# Allegro board STARRYSKY.brd (continued)
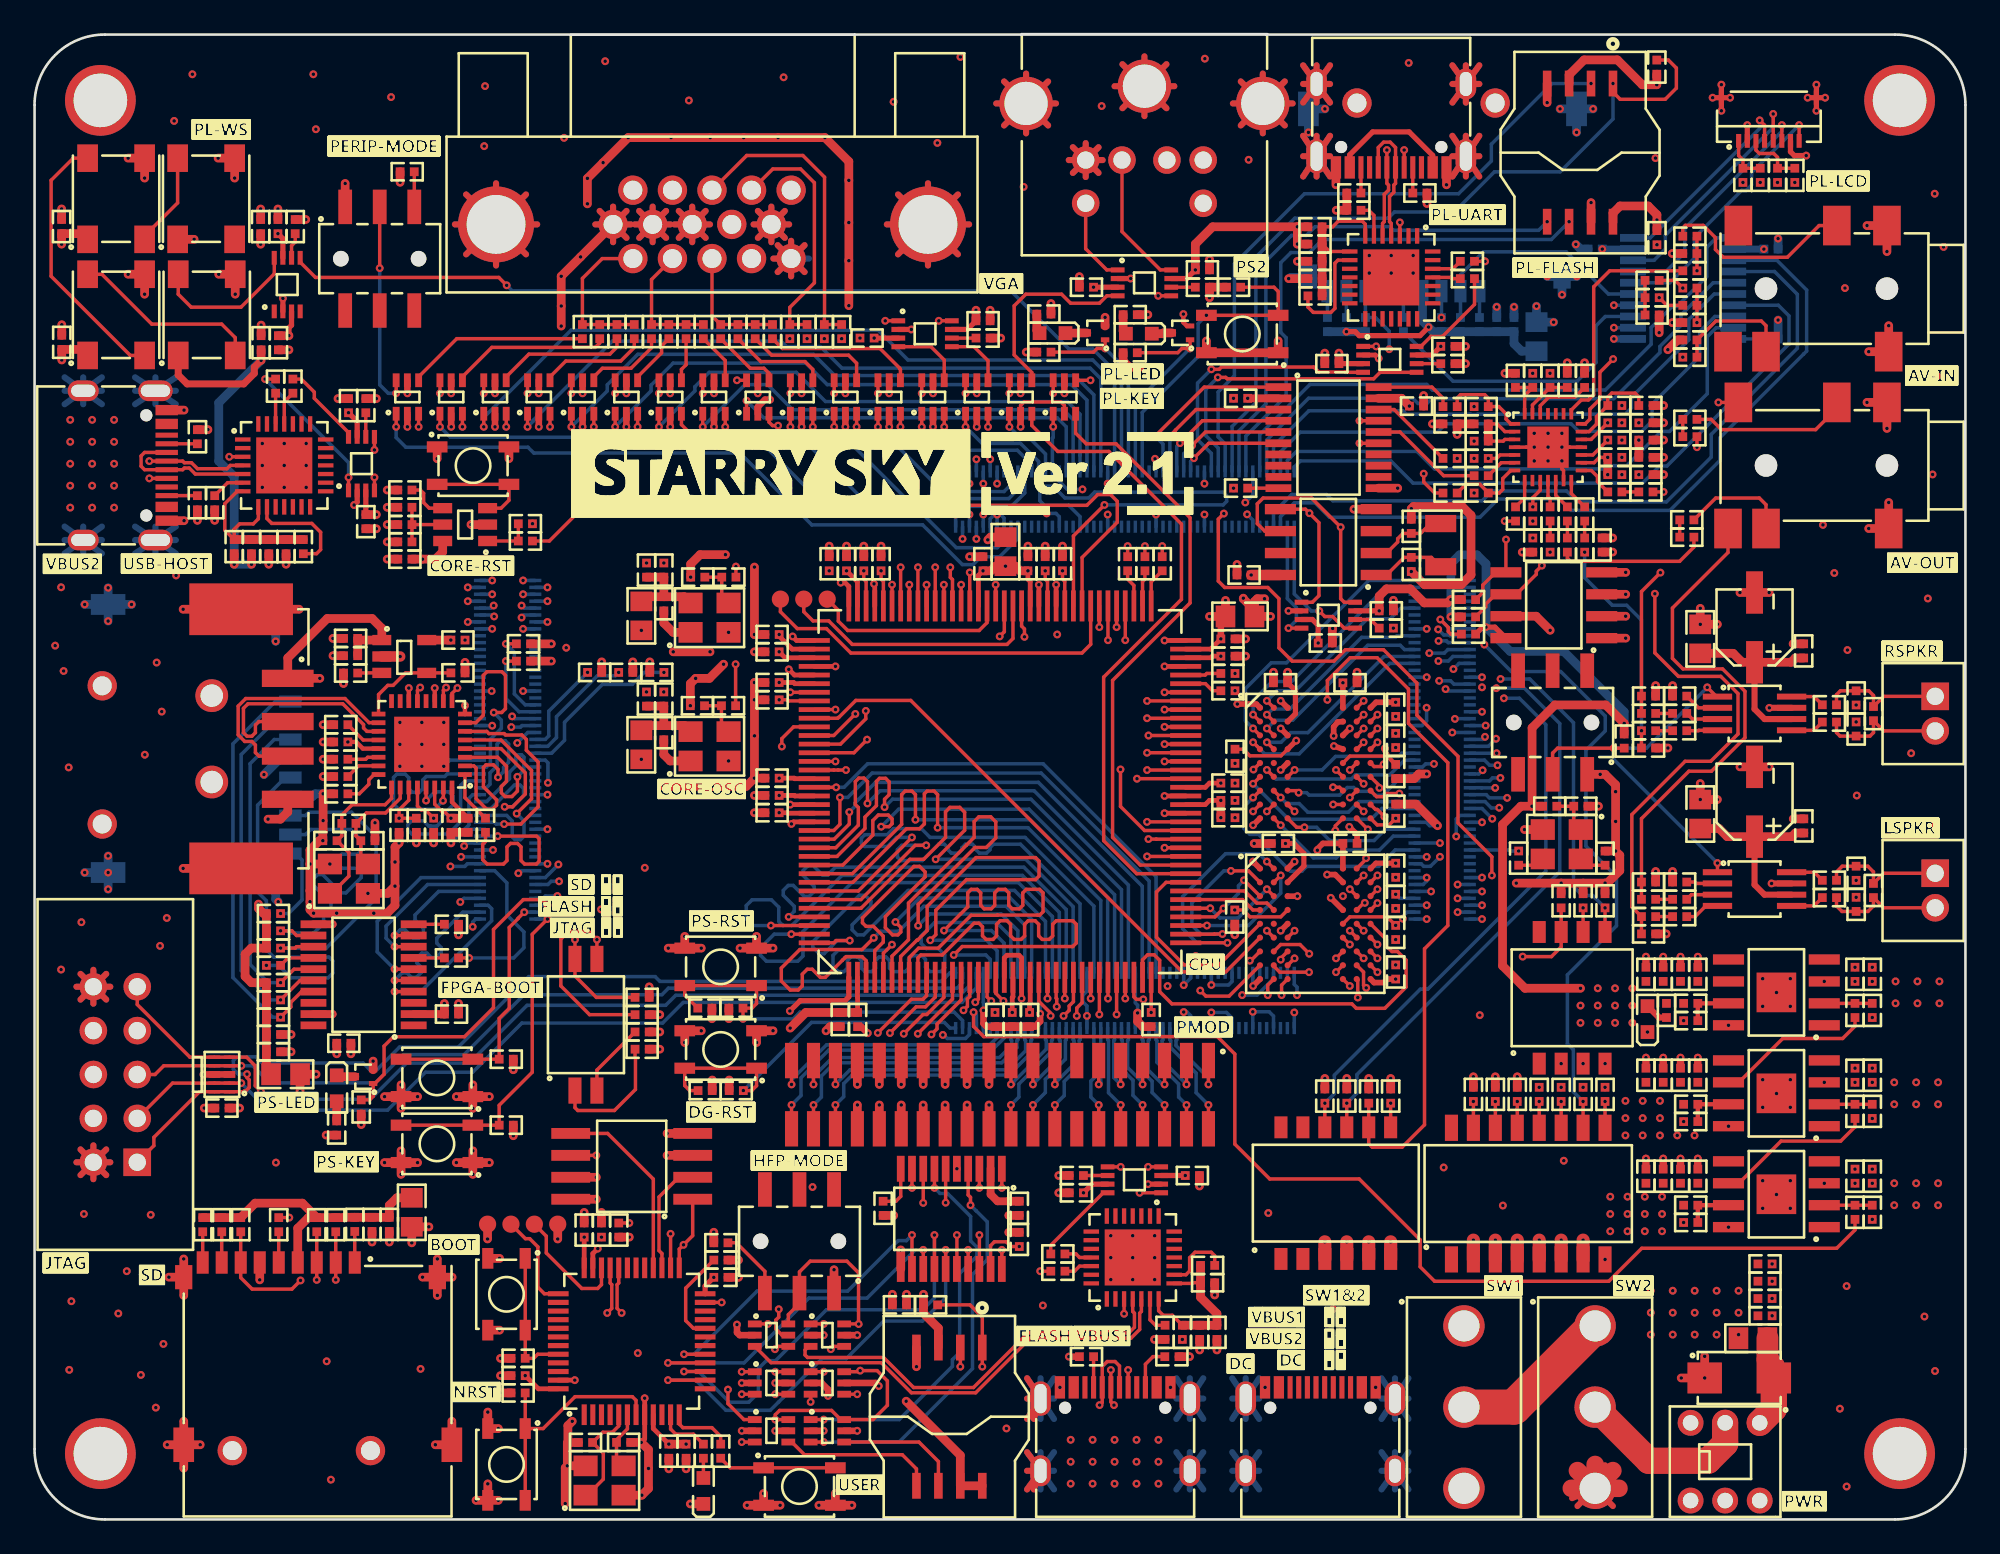
[diagram p0: board, top side]
## Routing (per net, layer and track width the routed paths; a pad name or vN(x,y) marks a point on that pad's centre or on a via; arc(x,y) is an arc through that point) (continued)
  ART03 w0.356: J1.1 58.23,8.17 ; J1.1 57.45,5.82 ; J1.1 59,8.17 ; J1.1 59,5.82 ; J1.1 57.45,7 ; J1.1 59,7 ; J1.1 57.45,8.17 ; J1.1 58.23,5.82 ; 66.87,5.82 J1.2 ; J1.2 66.87,8.17 ; J1.2 66.09,5.82 ; J1.2 66.09,8.17 ; J1.2 67.64,7 ; J1.2 66.09,7 ; J1.2 67.64,5.82
  ART03 w0.381: v1(43.65,49.21) 45.64,49.21 45.81,49.38 v1(46.36,49.38) 46.78,49.8 57.76,49.8 v1(59.19,51.23) ; v1(57.5,56.34) 57.01,56.34 55.92,57.43 54.85,57.43 v1(54.11,58.17) 53.16,57.22 52.09,57.22 51.22,56.34 v1(49,56.34) v1(48,56.34) v1(47,56.34) v1(46,56.34) 40.48,56.34 v1(39.99,55.85) ; v1(41.67,55.13) 42.57,54.23 v1(46.66,54.23) 48.06,54.23 48.13,54.16 v1(48.59,54.16) 49.36,53.38 57.41,53.38 v1(58.13,54.11) ; v1(39.1,50.22) v1(41.67,50.22) v1(41.67,51.22) 42.35,51.91 43.49,51.91 43.88,51.52 v1(43.88,51.11) 44.33,51.11 44.34,51.12 v1(55.86,51.12)
  GND05 w0.356: 58.23,1.74 J1.3 ; J1.3 59,1.74 ; J1.3 57.45,3.89 ; J1.3 57.45,2.82 ; J1.3 59,2.82 ; J1.3 59,3.89 ; J1.3 57.45,1.74 ; J1.3 58.23,3.89 ; 33.49,73.94 J12.6 ; J12.6 32.46,74.96 ; J12.6 32.71,74.19 ; J12.6 32.71,75.74 ; J12.6 34.26,75.74 ; J12.6 33.49,75.99 ; J12.6 34.51,74.96 ; J12.6 34.26,74.19 ; J8.10 4.38,30.84 ; J8.10 3.4,29.86 ; J8.10 2.66,31.58 ; J8.10 2.66,30.09 ; J8.10 2.43,30.84 ; J8.10 4.15,31.58 ; J8.10 4.15,30.09 ; J8.10 3.4,31.81 ; 35,74.19 J12.7 ; J12.7 35,75.74 ; J12.7 35.78,75.99 ; J12.7 36.8,74.96 ; J12.7 36.55,75.74 ; J12.7 36.55,74.19 ; J12.7 34.75,74.96 ; J12.7 35.78,73.94 ; J19.3 83.62,84.17 ; J19.3 82.07,84.17 ; J19.3 83.62,83.09 ; J19.3 82.07,83.09 ; J19.3 82.84,84.17 ; J19.3 82.07,82.01 ; J19.3 82.84,82.01 ; 82.84,77.73 J19.1 ; J19.1 82.84,80.09 ; J19.1 82.07,80.09 ; J19.1 82.07,78.91 ; J19.1 83.62,80.09 ; J19.1 82.07,77.73 ; J19.1 83.62,78.91 ; J19.1 83.62,77.73 ; 66.09,2.82 J1.4 ; J1.4 66.87,1.74 ; J1.4 66.87,3.89 ; J1.4 67.64,3.89 ; J1.4 66.09,1.74 ; J1.4 67.64,1.74 ; J1.4 66.09,3.89 ; J1.4 67.64,2.82 ; J9.4 3.9,55.92 ; J9.4 2.82,57.47 ; J9.4 1.74,56.69 ; J9.4 1.74,55.92 ; J9.4 3.9,56.69 ; J9.4 1.74,57.47 ; J9.4 2.82,55.92 ; J9.4 3.9,57.47 ; J12.5 44.57,72.21 ; J12.5 44.57,73.76 ; J12.5 43.01,73.76 ; J12.5 43.79,71.96 ; J12.5 43.79,74.01 ; J12.5 42.76,72.98 ; J12.5 44.82,72.98 ; J12.5 43.01,72.21 ; 62.51,82.96 J11.7 ; J11.7 65.97,82.96 ; J11.7 64.24,84.69 ; J11.7 62.97,81.69 ; J11.7 64.24,81.24 ; J11.7 62.97,84.24 ; J11.7 65.51,81.69 ; J11.7 65.51,84.24 ; 77.96,3.89 J3.4 ; J3.4 77.96,1.74 ; J3.4 78.74,3.89 ; J3.4 78.74,1.74 ; J3.4 79.52,2.82 ; J3.4 79.52,3.89 ; J3.4 77.96,2.82 ; J3.4 79.52,1.74 ; J3.3 70.1,3.89 ; J3.3 70.88,2.82 ; J3.3 69.32,3.89 ; J3.3 69.32,2.82 ; J3.3 70.1,1.74 ; J3.3 70.88,3.89 ; J3.3 69.32,1.74 ; J3.3 70.88,1.74 ; J9.1 8.18,65.33 ; J9.1 8.18,66.11 ; J9.1 5.82,66.11 ; J9.1 8.18,64.56 ; J9.1 7,64.56 ; J9.1 5.82,64.56 ; J9.1 5.82,65.33 ; J9.1 7,66.11 ; J8.2 4.15,21.42 ; J8.2 2.66,21.42 ; J8.2 2.43,20.68 ; J8.2 2.66,19.93 ; J8.2 4.15,19.93 ; J8.2 4.38,20.68 ; J8.2 3.4,19.7 ; J8.2 3.4,21.65 ; J12.8 38.07,75.99 ; J12.8 37.04,74.96 ; J12.8 38.84,74.19 ; J12.8 37.29,75.74 ; J12.8 38.84,75.74 ; J12.8 38.07,73.94 ; J12.8 37.29,74.19 ; J12.8 39.09,74.96 ; 57.39,80.24 J11.9 ; J11.9 57.39,83.69 ; J11.9 58.66,83.24 ; J11.9 56.12,80.69 ; J11.9 58.66,80.69 ; J11.9 59.12,81.97 ; J11.9 56.12,83.24 ; J11.9 55.66,81.97 ; 49.98,76.7 J12.16 ; J12.16 49.33,74.96 ; J12.16 49.98,73.23 ; J12.16 53.44,76.7 ; J12.16 51.71,72.59 ; J12.16 51.71,77.34 ; J12.16 53.44,73.23 ; J12.16 54.09,74.96 ; 24.33,74.96 J12.17 ; J12.17 28.44,73.23 ; J12.17 29.09,74.96 ; J12.17 26.71,72.59 ; J12.17 28.44,76.7 ; J12.17 26.71,77.34 ; J12.17 24.98,76.7 ; J12.17 24.98,73.23 ; J11.8 72.36,80.69 ; J11.8 71.09,83.69 ; J11.8 72.36,83.24 ; J11.8 69.36,81.97 ; J11.8 69.82,80.69 ; J11.8 69.82,83.24 ; J11.8 72.82,81.97 ; J11.8 71.09,80.24 ; J1.1 58.23,8.17 ; J1.1 59,5.82 ; J1.1 59,8.17 ; J1.1 59,7 ; J1.1 57.45,8.17 ; J1.1 58.23,5.82 ; J1.1 57.45,5.82 ; J1.1 57.45,7 ; J9.2 7,57.47 ; J9.2 7,55.92 ; J9.2 8.18,56.69 ; J9.2 8.18,57.47 ; J9.2 5.82,57.47 ; J9.2 8.18,55.92 ; J9.2 5.82,56.69 ; J9.2 5.82,55.92 ; J19.2 74.98,77.73 ; J19.2 74.98,78.91 ; J19.2 74.98,80.09 ; J19.2 74.2,80.09 ; J19.2 74.2,77.73 ; J19.2 73.43,80.09 ; J19.2 73.43,77.73 ; J19.2 73.43,78.91 ; 73.43,84.17 J19.4 ; J19.4 74.2,84.17 ; J19.4 74.2,82.01 ; J19.4 74.98,82.01 ; J19.4 73.43,82.01 ; J19.4 73.43,83.09 ; J19.4 74.98,83.09 ; J19.4 74.98,84.17 ; 69.32,7 J3.1 ; J3.1 70.88,7 ; J3.1 70.1,5.82 ; J3.1 69.32,8.17 ; J3.1 69.32,5.82 ; J3.1 70.88,8.17 ; J3.1 70.1,8.17 ; J3.1 70.88,5.82 ; J12.10 43.67,74.96 ; J12.10 42.65,73.94 ; J12.10 43.42,75.74 ; J12.10 41.62,74.96 ; J12.10 41.87,75.74 ; J12.10 43.42,74.19 ; J12.10 42.65,75.99 ; J12.10 41.87,74.19 ; 66.87,5.82 J1.2 ; J1.2 66.09,5.82 ; J1.2 67.64,7 ; J1.2 66.87,8.17 ; J1.2 66.09,8.17 ; J1.2 67.64,8.17 ; J1.2 66.09,7 ; J1.2 67.64,5.82 ; 1.74,64.56 J9.3 ; J9.3 3.9,66.11 ; J9.3 1.74,66.11 ; J9.3 2.82,66.11 ; J9.3 3.9,64.56 ; J9.3 3.9,65.33 ; J9.3 1.74,65.33 ; J9.3 2.82,64.56 ; J11.3 61.82,78.69 ; J11.3 60.1,77.94 ; J11.3 60.84,77.71 ; J11.3 61.58,79.43 ; J11.3 60.1,79.43 ; J11.3 60.84,79.67 ; J11.3 59.86,78.69 ; J11.3 61.58,77.94 ; 77.96,5.82 J3.2 ; J3.2 77.96,7 ; J3.2 78.74,5.82 ; J3.2 78.74,8.17 ; J3.2 79.52,5.82 ; J3.2 79.52,8.17 ; J3.2 79.52,7 ; J3.2 77.96,8.17
  GND07 w0.356: 32.71,74.19 J12.6 ; J12.6 32.46,74.96 ; J12.6 32.71,75.74 ; J12.6 33.49,75.99 ; J12.6 33.49,73.94 ; J12.6 34.26,74.19 ; J12.6 34.26,75.74 ; J12.6 34.51,74.96 ; J8.10 4.38,30.84 ; J8.10 2.66,30.09 ; J8.10 3.4,31.81 ; J8.10 2.66,31.58 ; J8.10 4.15,30.09 ; J8.10 3.4,29.86 ; J8.10 2.43,30.84 ; J8.10 4.15,31.58 ; J3.4 79.52,3.89 ; J3.4 77.96,1.74 ; J3.4 77.96,2.82 ; J3.4 78.74,3.89 ; J3.4 78.74,1.74 ; J3.4 79.52,2.82 ; J3.4 77.96,3.89 ; J3.4 79.52,1.74 ; 73.43,78.91 J19.2 ; J19.2 74.98,77.73 ; J19.2 74.98,78.91 ; J19.2 74.2,77.73 ; J19.2 74.98,80.09 ; J19.2 74.2,80.09 ; J19.2 73.43,77.73 ; J19.2 73.43,80.09 ; 35,75.74 J12.7 ; J12.7 35.78,73.94 ; J12.7 36.55,75.74 ; J12.7 35,74.19 ; J12.7 36.8,74.96 ; J12.7 35.78,75.99 ; J12.7 34.75,74.96 ; J12.7 36.55,74.19 ; J11.3 61.58,77.94 ; J11.3 60.1,77.94 ; J11.3 60.84,79.67 ; J11.3 61.82,78.69 ; J11.3 60.84,77.71 ; J11.3 59.86,78.69 ; J11.3 61.58,79.43 ; J11.3 60.1,79.43 ; 24.98,73.23 J12.17 ; J12.17 26.71,72.59 ; J12.17 24.98,76.7 ; J12.17 24.33,74.96 ; J12.17 29.09,74.96 ; J12.17 28.44,76.7 ; J12.17 26.71,77.34 ; J12.17 28.44,73.23 ; J9.1 8.18,66.11 ; J9.1 8.18,64.56 ; J9.1 5.82,66.11 ; J9.1 7,66.11 ; J9.1 7,64.56 ; J9.1 5.82,64.56 ; J9.1 5.82,65.33 ; J9.1 8.18,65.33 ; J3.2 79.52,5.82 ; J3.2 79.52,7 ; J3.2 78.74,5.82 ; J3.2 79.52,8.17 ; J3.2 77.96,8.17 ; J3.2 77.96,7 ; J3.2 78.74,8.17 ; J3.2 77.96,5.82 ; J1.1 59,8.17 ; J1.1 57.45,8.17 ; J1.1 58.23,8.17 ; J1.1 57.45,7 ; J1.1 59,5.82 ; J1.1 58.23,5.82 ; J1.1 57.45,5.82 ; J1.1 59,7 ; J3.1 70.88,5.82 ; J3.1 70.1,8.17 ; J3.1 69.32,8.17 ; J3.1 70.88,7 ; J3.1 70.88,8.17 ; J3.1 69.32,5.82 ; J3.1 70.1,5.82 ; J3.1 69.32,7 ; 57.39,80.24 J11.9 ; J11.9 56.12,80.69 ; J11.9 56.12,83.24 ; J11.9 57.39,83.69 ; J11.9 58.66,83.24 ; J11.9 58.66,80.69 ; J11.9 55.66,81.97 ; J11.9 59.12,81.97 ; J11.7 64.24,84.69 ; J11.7 65.51,84.24 ; J11.7 65.51,81.69 ; J11.7 62.97,81.69 ; J11.7 64.24,81.24 ; J11.7 62.97,84.24 ; J11.7 62.51,82.96 ; J11.7 65.97,82.96 ; J3.3 70.1,3.89 ; J3.3 70.1,1.74 ; J3.3 70.88,1.74 ; J3.3 69.32,3.89 ; J3.3 69.32,1.74 ; J3.3 69.32,2.82 ; J3.3 70.88,2.82 ; J3.3 70.88,3.89 ; 1.74,57.47 J9.4 ; J9.4 1.74,56.69 ; J9.4 1.74,55.92 ; J9.4 2.82,55.92 ; J9.4 3.9,56.69 ; J9.4 3.9,57.47 ; J9.4 2.82,57.47 ; J9.4 3.9,55.92 ; J19.1 83.62,77.73 ; J19.1 83.62,80.09 ; J19.1 82.84,77.73 ; J19.1 82.84,80.09 ; J19.1 83.62,78.91 ; J19.1 82.07,80.09 ; J19.1 82.07,78.91 ; J19.1 82.07,77.73 ; 66.09,1.74 J1.4 ; J1.4 67.64,3.89 ; J1.4 66.09,2.82 ; J1.4 67.64,1.74 ; J1.4 66.87,3.89 ; J1.4 67.64,2.82 ; J1.4 66.87,1.74 ; J1.4 66.09,3.89 ; J9.3 3.9,66.11 ; J9.3 1.74,64.56 ; J9.3 1.74,65.33 ; J9.3 2.82,66.11 ; J9.3 3.9,64.56 ; J9.3 2.82,64.56 ; J9.3 1.74,66.11 ; J9.3 3.9,65.33 ; J8.2 4.15,19.93 ; J8.2 4.15,21.42 ; J8.2 2.66,21.42 ; J8.2 4.38,20.68 ; J8.2 3.4,19.7 ; J8.2 2.66,19.93 ; J8.2 3.4,21.65 ; J8.2 2.43,20.68 ; J11.8 72.36,83.24 ; J11.8 72.82,81.97 ; J11.8 69.82,83.24 ; J11.8 69.82,80.69 ; J11.8 71.09,83.69 ; J11.8 69.36,81.97 ; J11.8 71.09,80.24 ; J11.8 72.36,80.69 ; 41.87,75.74 J12.10 ; J12.10 42.65,75.99 ; J12.10 43.42,75.74 ; J12.10 41.62,74.96 ; J12.10 43.42,74.19 ; J12.10 41.87,74.19 ; J12.10 43.67,74.96 ; J12.10 42.65,73.94 ; 49.98,76.7 J12.16 ; J12.16 49.98,73.23 ; J12.16 53.44,73.23 ; J12.16 49.33,74.96 ; J12.16 51.71,72.59 ; J12.16 51.71,77.34 ; J12.16 53.44,76.7 ; J12.16 54.09,74.96 ; J19.4 74.2,84.17 ; J19.4 74.98,82.01 ; J19.4 74.98,84.17 ; J19.4 73.43,84.17 ; J19.4 73.43,83.09 ; J19.4 74.2,82.01 ; J19.4 73.43,82.01 ; J19.4 74.98,83.09 ; 66.09,5.82 J1.2 ; J1.2 67.64,8.17 ; J1.2 67.64,5.82 ; J1.2 67.64,7 ; J1.2 66.09,8.17 ; J1.2 66.87,5.82 ; J1.2 66.09,7 ; J1.2 66.87,8.17 ; 82.07,83.09 J19.3 ; J19.3 83.62,84.17 ; J19.3 82.07,84.17 ; J19.3 82.07,82.01 ; J19.3 82.84,84.17 ; J19.3 82.84,82.01 ; J19.3 83.62,83.09 ; 37.29,74.19 J12.8 ; J12.8 38.84,75.74 ; J12.8 38.84,74.19 ; J12.8 37.04,74.96 ; J12.8 38.07,75.99 ; J12.8 37.29,75.74 ; J12.8 39.09,74.96 ; J12.8 38.07,73.94 ; 57.45,2.82 J1.3 ; J1.3 59,1.74 ; J1.3 58.23,3.89 ; J1.3 58.23,1.74 ; J1.3 59,2.82 ; J1.3 57.45,1.74 ; J1.3 59,3.89 ; J1.3 57.45,3.89 ; J12.5 44.57,73.76 ; J12.5 43.79,71.96 ; J12.5 44.57,72.21 ; J12.5 43.01,72.21 ; J12.5 42.76,72.98 ; J12.5 43.01,73.76 ; J12.5 43.79,74.01 ; J12.5 44.82,72.98 ; J9.2 8.18,56.69 ; J9.2 8.18,55.92 ; J9.2 7,57.47 ; J9.2 5.82,57.47 ; J9.2 7,55.92 ; J9.2 8.18,57.47 ; J9.2 5.82,56.69 ; J9.2 5.82,55.92
  BOTTOM w0.203: v1(28.19,52.21) 28.34,52.35 J25.A45 ; J24.A24 63.71,29.91 63.84,29.77 v1(63.84,29.32) 63.71,29.19 J24.B24 ; J25.A29 28.21,45.95 28.13,45.87 v1(27.59,45.87) ; v1(55.71,58.17) 55.56,58.17 55.31,57.92 J22.A6 ; v1(55.71,58.17) J22.A7 ; v1(55.71,58.17) 55.91,58.17 56.11,57.97 J22.A8 ; J22.A30 v1(64.91,58.17) ; J25.A19 v1(29.69,41.95) ; J22.B44 70.51,59.3 v1(70.08,58.87) ; J25.A44 v1(29.69,51.95) ; v1(69.9,30.35) 70.76,30.35 71.71,31.31 J24.A4 ; J23.A8 v1(80.58,51.55) ; J25.B19 25.36,41.95 25.14,41.73 25.14,40.2 24.89,39.95 ; v1(60.65,59.63) 59.77,59.63 59.31,60.08 J22.B16 ; J24.A10 69.31,31.14 69.11,30.94 v1(68.11,30.94) J24.A13 ; J25.B29 26.46,45.95 26.46,45.95 v1(26.49,45.95) ; J24.B17 v1(66.51,29.37) 66.71,29.37 66.91,29.17 J24.B16 ; v1(30.26,36.09) 29.57,36.09 29.43,35.95 J25.A4 ; v1(70.53,30.88) 70.51,30.9 J24.A7 ; J22.A37 v1(67.71,58.17) ; v1(24.1,39.16) 24.89,39.95 ; 24.89,39.95 J25.B14 ; v1(81.36,52.09) 81.9,51.55 J23.B8 ; J24.B31 v1(60.91,29.15) 60.91,29.72 60.67,29.96 60.67,30.34 60.91,30.58 J24.A31 ; J24.B13 v1(68.11,29.35) 68.99,29.35 69.31,29.02 J24.B10 ; J25.B34 v1(26.46,47.95) ; J23.A45 80.37,36.75 80.58,36.96 v1(80.58,37.15) J23.A44 ; v1(70.18,58.18) 70.51,57.85 J22.A44 ; v1(29.71,42.64) 29.71,43.8 29.56,43.95 J25.A24 ; J25.B9 25.05,37.95 24.9,37.8 v1(24.07,37.8) ; J24.A1 72.91,30.97 73.07,30.81 v1(73.07,30.35) ; J23.A22 80.3,45.95 80.57,46.22 v1(80.57,46.99) ; J24.A16 66.91,31.33 v1(66.51,30.93) J24.A17 ; v1(81.2,40.16) 80.75,40.16 80.55,40.35 J23.A36 ; J22.A16 59.31,58.04 59.12,58.23 v1(58.58,58.23) ; J25.A43 v1(28.28,51.55) ; J24.B38 58.11,29.19 v1(58.2,29.27) 58.2,29.73 58.11,29.82 J24.A38 ; J22.B30 64.91,61.34 v1(64.85,61.4) ; J25.A34 v1(28.28,47.95) ; J22.B3 v1(54.11,59.96) ; J23.A48 v1(80.58,35.55) ; J22.B37 v1(67.71,59.96) ; J23.B15 v1(83.78,48.75) ; J23.B48 v1(83.78,35.55) ; J23.B36 v1(83.78,40.35) ; J23.B29 83.6,43.15 v1(83.81,43.37) ; J24.A46 54.91,29.94 54.92,29.92 v1(54.92,29.47) 54.91,29.46 J24.B46 ; J22.B7 v1(55.71,59.96) ; J24.B7 v1(70.51,29.39) 71.46,29.39 71.71,29.14 J24.B4 ; J23.B44 v1(83.78,37.15) ; J23.B45 v1(82.37,36.75) ; J22.B23 v1(62.11,59.96) ; J23.A15 v1(80.58,48.75) ; J25.A9 v1(29.69,37.95) ; v1(26.6,52.27) 26.52,52.35 J25.B45 ; J22.A3 v1(54.11,58.17) ; v1(23.68,43.6) 24.04,43.95 J25.B24 ; J23.A29 v1(80.58,43.15) ; J22.B6 v1(55.31,61.37) ; J25.B43 v1(26.49,51.55) ; v1(24.64,35.74) 24.85,35.95 J25.B4 ; J22.A23 v1(62.11,58.17) ; J25.B44 v1(25.08,51.95) ; J24.B1 v1(72.91,29.35) ; J23.B22 v1(83.99,45.95) ; J22.B8 v1(56.11,61.37) ; J25.A14 v1(29.69,39.95)
  BOTTOM w0.356: 69.82,83.24 J11.8 ; J11.8 71.09,80.24 ; J11.8 72.36,80.69 ; J11.8 71.09,83.69 ; J11.8 69.82,80.69 ; J11.8 69.36,81.97 ; J11.8 72.82,81.97 ; J11.8 72.36,83.24 ; J12.16 54.09,74.96 ; J12.16 53.44,73.23 ; J12.16 51.71,72.59 ; J12.16 49.33,74.96 ; J12.16 53.44,76.7 ; J12.16 49.98,73.23 ; J12.16 49.98,76.7 ; J12.16 51.71,77.34 ; J12.5 44.82,72.98 ; J12.5 42.76,72.98 ; J12.5 43.01,72.21 ; J12.5 44.57,73.76 ; J12.5 44.57,72.21 ; J12.5 43.79,71.96 ; J12.5 43.79,74.01 ; J12.5 43.01,73.76 ; 2.66,21.42 J8.2 ; J8.2 3.4,19.7 ; J8.2 4.15,19.93 ; J8.2 4.15,21.42 ; J8.2 2.66,19.93 ; J8.2 3.4,21.65 ; J8.2 4.38,20.68 ; J8.2 2.43,20.68 ; 64.24,81.24 J11.7 ; J11.7 62.97,81.69 ; J11.7 64.24,84.69 ; J11.7 62.51,82.96 ; J11.7 65.97,82.96 ; J11.7 62.97,84.24 ; J11.7 65.51,81.69 ; J11.7 65.51,84.24 ; 77.96,5.82 J3.2 ; J3.2 78.74,8.17 ; J3.2 78.74,5.82 ; J3.2 79.52,7 ; J3.2 77.96,8.17 ; J3.2 79.52,5.82 ; J3.2 79.52,8.17 ; J3.2 77.96,7 ; 73.43,82.01 J19.4 ; J19.4 74.2,84.17 ; J19.4 74.98,83.09 ; J19.4 74.98,84.17 ; J19.4 73.43,83.09 ; J19.4 74.2,82.01 ; J19.4 73.43,84.17 ; J19.4 74.98,82.01 ; J8.10 3.4,31.81 ; J8.10 2.66,31.58 ; J8.10 3.4,29.86 ; J8.10 4.15,31.58 ; J8.10 2.43,30.84 ; J8.10 2.66,30.09 ; J8.10 4.15,30.09 ; J8.10 4.38,30.84 ; 5.82,65.33 J9.1 ; J9.1 8.18,65.33 ; J9.1 8.18,66.11 ; J9.1 7,64.56 ; J9.1 8.18,64.56 ; J9.1 7,66.11 ; J9.1 5.82,64.56 ; J9.1 5.82,66.11 ; 41.87,74.19 J12.10 ; J12.10 43.67,74.96 ; J12.10 41.62,74.96 ; J12.10 41.87,75.74 ; J12.10 43.42,74.19 ; J12.10 43.42,75.74 ; J12.10 42.65,75.99 ; J12.10 42.65,73.94 ; 60.1,79.43 J11.3 ; J11.3 60.1,77.94 ; J11.3 60.84,77.71 ; J11.3 61.58,77.94 ; J11.3 61.82,78.69 ; J11.3 60.84,79.67 ; J11.3 59.86,78.69 ; J11.3 61.58,79.43 ; J19.2 74.98,77.73 ; J19.2 73.43,80.09 ; J19.2 73.43,77.73 ; J19.2 74.2,80.09 ; J19.2 74.98,78.91 ; J19.2 74.2,77.73 ; J19.2 74.98,80.09 ; J19.2 73.43,78.91 ; J19.3 82.84,84.17 ; J19.3 83.62,84.17 ; J19.3 82.07,82.01 ; J19.3 82.07,83.09 ; J19.3 83.62,83.09 ; J19.3 82.84,82.01 ; J19.3 82.07,84.17 ; J1.4 67.64,2.82 ; J1.4 66.87,1.74 ; J1.4 67.64,1.74 ; J1.4 66.87,3.89 ; J1.4 66.09,3.89 ; J1.4 66.09,2.82 ; J1.4 66.09,1.74 ; J1.4 67.64,3.89 ; J9.4 3.9,55.92 ; J9.4 1.74,55.92 ; J9.4 1.74,56.69 ; J9.4 1.74,57.47 ; J9.4 3.9,56.69 ; J9.4 3.9,57.47 ; J9.4 2.82,57.47 ; J9.4 2.82,55.92 ; 69.32,5.82 J3.1 ; J3.1 70.1,5.82 ; J3.1 70.88,5.82 ; J3.1 70.1,8.17 ; J3.1 69.32,8.17 ; J3.1 69.32,7 ; J3.1 70.88,7 ; J3.1 70.88,8.17 ; J1.3 59,3.89 ; J1.3 58.23,1.74 ; J1.3 58.23,3.89 ; J1.3 59,1.74 ; J1.3 57.45,3.89 ; J1.3 59,2.82 ; J1.3 57.45,2.82 ; J1.3 57.45,1.74 ; 57.39,80.24 J11.9 ; J11.9 57.39,83.69 ; J11.9 56.12,80.69 ; J11.9 55.66,81.97 ; J11.9 58.66,83.24 ; J11.9 56.12,83.24 ; J11.9 58.66,80.69 ; J11.9 59.12,81.97 ; J12.17 26.71,77.34 ; J12.17 24.98,76.7 ; J12.17 28.44,73.23 ; J12.17 24.98,73.23 ; J12.17 26.71,72.59 ; J12.17 29.09,74.96 ; J12.17 28.44,76.7 ; J12.17 24.33,74.96 ; 1.74,66.11 J9.3 ; J9.3 3.9,65.33 ; J9.3 3.9,64.56 ; J9.3 1.74,64.56 ; J9.3 3.9,66.11 ; J9.3 2.82,64.56 ; J9.3 1.74,65.33 ; J9.3 2.82,66.11 ; 57.45,8.17 J1.1 ; J1.1 59,8.17 ; J1.1 58.23,5.82 ; J1.1 59,5.82 ; J1.1 58.23,8.17 ; J1.1 59,7 ; J1.1 57.45,5.82 ; J1.1 57.45,7 ; 5.82,56.69 J9.2 ; J9.2 8.18,57.47 ; J9.2 7,55.92 ; J9.2 8.18,55.92 ; J9.2 5.82,57.47 ; J9.2 5.82,55.92 ; J9.2 7,57.47 ; J9.2 8.18,56.69 ; 69.32,1.74 J3.3 ; J3.3 70.88,2.82 ; J3.3 70.1,1.74 ; J3.3 70.1,3.89 ; J3.3 70.88,1.74 ; J3.3 69.32,2.82 ; J3.3 69.32,3.89 ; J3.3 70.88,3.89 ; J12.8 38.84,74.19 ; J12.8 37.29,74.19 ; J12.8 38.07,73.94 ; J12.8 37.04,74.96 ; J12.8 38.84,75.74 ; J12.8 37.29,75.74 ; J12.8 38.07,75.99 ; J12.8 39.09,74.96 ; J3.4 79.52,2.82 ; J3.4 78.74,1.74 ; J3.4 77.96,2.82 ; J3.4 77.96,1.74 ; J3.4 78.74,3.89 ; J3.4 79.52,3.89 ; J3.4 79.52,1.74 ; J3.4 77.96,3.89 ; J12.7 36.55,74.19 ; J12.7 35,74.19 ; J12.7 35.78,73.94 ; J12.7 36.8,74.96 ; J12.7 34.75,74.96 ; J12.7 35.78,75.99 ; J12.7 35,75.74 ; J12.7 36.55,75.74 ; J1.2 67.64,8.17 ; J1.2 67.64,7 ; J1.2 67.64,5.82 ; J1.2 66.87,8.17 ; J1.2 66.09,5.82 ; J1.2 66.09,8.17 ; J1.2 66.87,5.82 ; J1.2 66.09,7 ; 82.07,80.09 J19.1 ; J19.1 83.62,80.09 ; J19.1 82.07,77.73 ; J19.1 82.84,80.09 ; J19.1 82.07,78.91 ; J19.1 83.62,78.91 ; J12.6 34.26,75.74 ; J12.6 32.71,74.19 ; J12.6 32.71,75.74 ; J12.6 33.49,75.99 ; J12.6 34.51,74.96 ; J12.6 34.26,74.19 ; J12.6 33.49,73.94 ; J12.6 32.46,74.96
  BOTTOM w0.406: J16.10 72.71,71.95 v1(72.59,71.83) ; U41.11 v1(91.41,68.34)
  BOTTOM w0.508: v1(74.69,81.65) J16.12 v1(73.73,80.29) ; C119.1 v1(100.92,74.15) ; J16.6 78.13,71.75 v1(78.52,72.15) ; J16.13 v1(88.3,81.65) ; J16.13 v1(90.21,81.65) ; J16.13 v1(89.25,80.29) ; J7.10 13.96,35.9 v1(14.1,35.76) ; J7.13 v1(4.26,53.93) ; J7.13 v1(5.61,52.97) ; J7.13 v1(2.9,52.97) ; J7.13 v1(4.26,52) ; J7.6 16.09,41.85 16.25,42 v1(16.7,42) ; v1(4.26,37.45) v1(4.26,36.48) ; v1(4.26,37.45) v1(4.26,38.41) ; v1(4.26,37.45) v1(2.9,37.45) ; C150.2 v1(84.63,70.19) ; J16.11 v1(87.56,71.95) ; J16.11 v1(88.41,70.89) ; J16.11 v1(89.27,71.95) ; C120.2 89.48,73.54 v1(89.21,73.81) ; C149.2 v1(85.63,70.19) ; J7.11 v1(13.96,50.83)
  vias: v1(1.19,50.58) v1(1.54,53.96) v1(1.54,31.83) v1(1.68,49.11) v1(1.98,43.53) v1(2.01,8.66) v1(2.13,12.63) v1(2.71,34.57) v1(2.86,17.68) v1(4.85,11.92) v1(5.34,14.37) v1(6.15,8.37) v1(6.38,44.27) v1(6.72,17.63) v1(7.02,6.47) v1(7.07,49.6) v1(7.26,33.2) v1(7.36,46.76) v1(7.46,10.16) v1(7.66,34.82) v1(8.08,80.95) v1(8.19,54.64) v1(9.14,83.66) v1(13.18,62.28) v1(13.18,61.01) v1(13.18,59.74) v1(13.97,20.66) v1(14.45,62.28) v1(14.45,61.01) v1(14.45,59.74) v1(15.72,62.28) v1(15.72,61.01) v1(15.72,59.74) v1(16.14,83.66) v1(16.28,80.47) v1(16.91,9.16) v1(17.15,2.3) v1(20.64,82.33) v1(21.14,46.14) v1(21.14,44.87) v1(21.14,43.6) v1(22.34,8.72) v1(22.41,46.14) v1(22.41,44.87) v1(22.41,43.6) v1(23.68,46.14) v1(23.68,44.87) v1(24.92,50.9) v1(26.03,79.49) v1(26.07,82.97) v1(30.65,79.97) v1(32.79,35.31) v1(33.03,84.41) v1(34.92,9.63) v1(35.32,37.72) v1(35.42,55.37) v1(35.42,47.9) v1(36.42,55.37) v1(36.42,47.9) v1(37.87,82.14) v1(40.17,51.35) v1(40.17,43.91) v1(43.36,83.48) v1(43.71,68.35) v1(46.71,68.35) v1(47.78,68.38) v1(49.72,82.06) v1(52.25,79.68) v1(53.59,84.66) v1(56.25,5.27) v1(57.25,77.14) v1(58.36,12.39) v1(59.35,7.65) v1(61.76,81.82) v1(62.29,16.42) v1(62.29,15.15) v1(62.29,13.88) v1(63.56,16.42) v1(63.56,15.15) v1(63.56,13.88) v1(64.83,16.42) v1(64.83,15.15) v1(64.83,13.88) v1(65.75,7.65) v1(66.44,10.42) v1(67.74,84.56) v1(69.4,64.9) v1(69.48,43.77) v1(69.48,42.62) v1(69.48,41.62) v1(69.48,40.62) v1(70.27,78.7) v1(71.22,7.65) v1(71.41,17.74) v1(75.16,12.18) v1(77.25,73.16) v1(77.25,72.15) v1(77.62,7.65) v1(78.52,73.16) v1(78.78,46.48) v1(78.78,44.68) v1(78.78,37.17) v1(78.78,35.37) v1(78.78,33.57) v1(78.78,32.1) v1(79.54,84.31) v1(79.79,73.16) v1(79.79,72.15) v1(81.56,20.37) v1(83.65,29.19) v1(84.99,18.17) v1(87.09,25.02) v1(88.36,25.02) v1(88.51,20.77) v1(89.63,25.02) v1(90.9,25.02) v1(93.36,28.21) v1(93.82,78.8) v1(93.9,73.79) v1(95.45,28.87) v1(95.45,23.03) v1(95.45,17.19) v1(98.05,28.6) v1(98.05,22.76) v1(98.05,16.92) v1(99.88,77.39) v1(100.02,31.3) v1(100.02,29.7) v1(100.02,25.45) v1(100.02,23.85) v1(100.02,19.61) v1(100.02,18.01) v1(100.57,14.79) v1(100.57,13.79) v1(100.57,12.79) v1(100.57,11.79) v1(100.82,30.5) v1(100.83,24.65) v1(100.82,18.81) v1(100.88,77.39) v1(101.62,31.3) v1(101.62,29.7) v1(101.63,25.45) v1(101.63,23.85) v1(101.62,19.61) v1(101.62,18.01) v1(103.51,57.57) v1(104.17,54.79) v1(104.49,6.41) v1(104.79,71.28) v1(104.93,50.32) v1(104.88,13.51) v1(104.88,1.91) v1(105.37,31.96) v1(105.37,26.12) v1(105.37,20.28) v1(105.47,41.9) v1(106.37,31.96) v1(106.37,26.12) v1(106.37,20.28) v1(108.62,44.35) v1(109.39,11.75) v1(109.58,53.31) v1(109.86,60.49) v1(109.98,76.74) v1(110.02,40.19) v1(110,8.59) v1(110.12,66.19) v1(110.5,73.66)
